# Allegro board BeagleBone_AI-64_Rev_B1_PCB_220602.brd (continued)
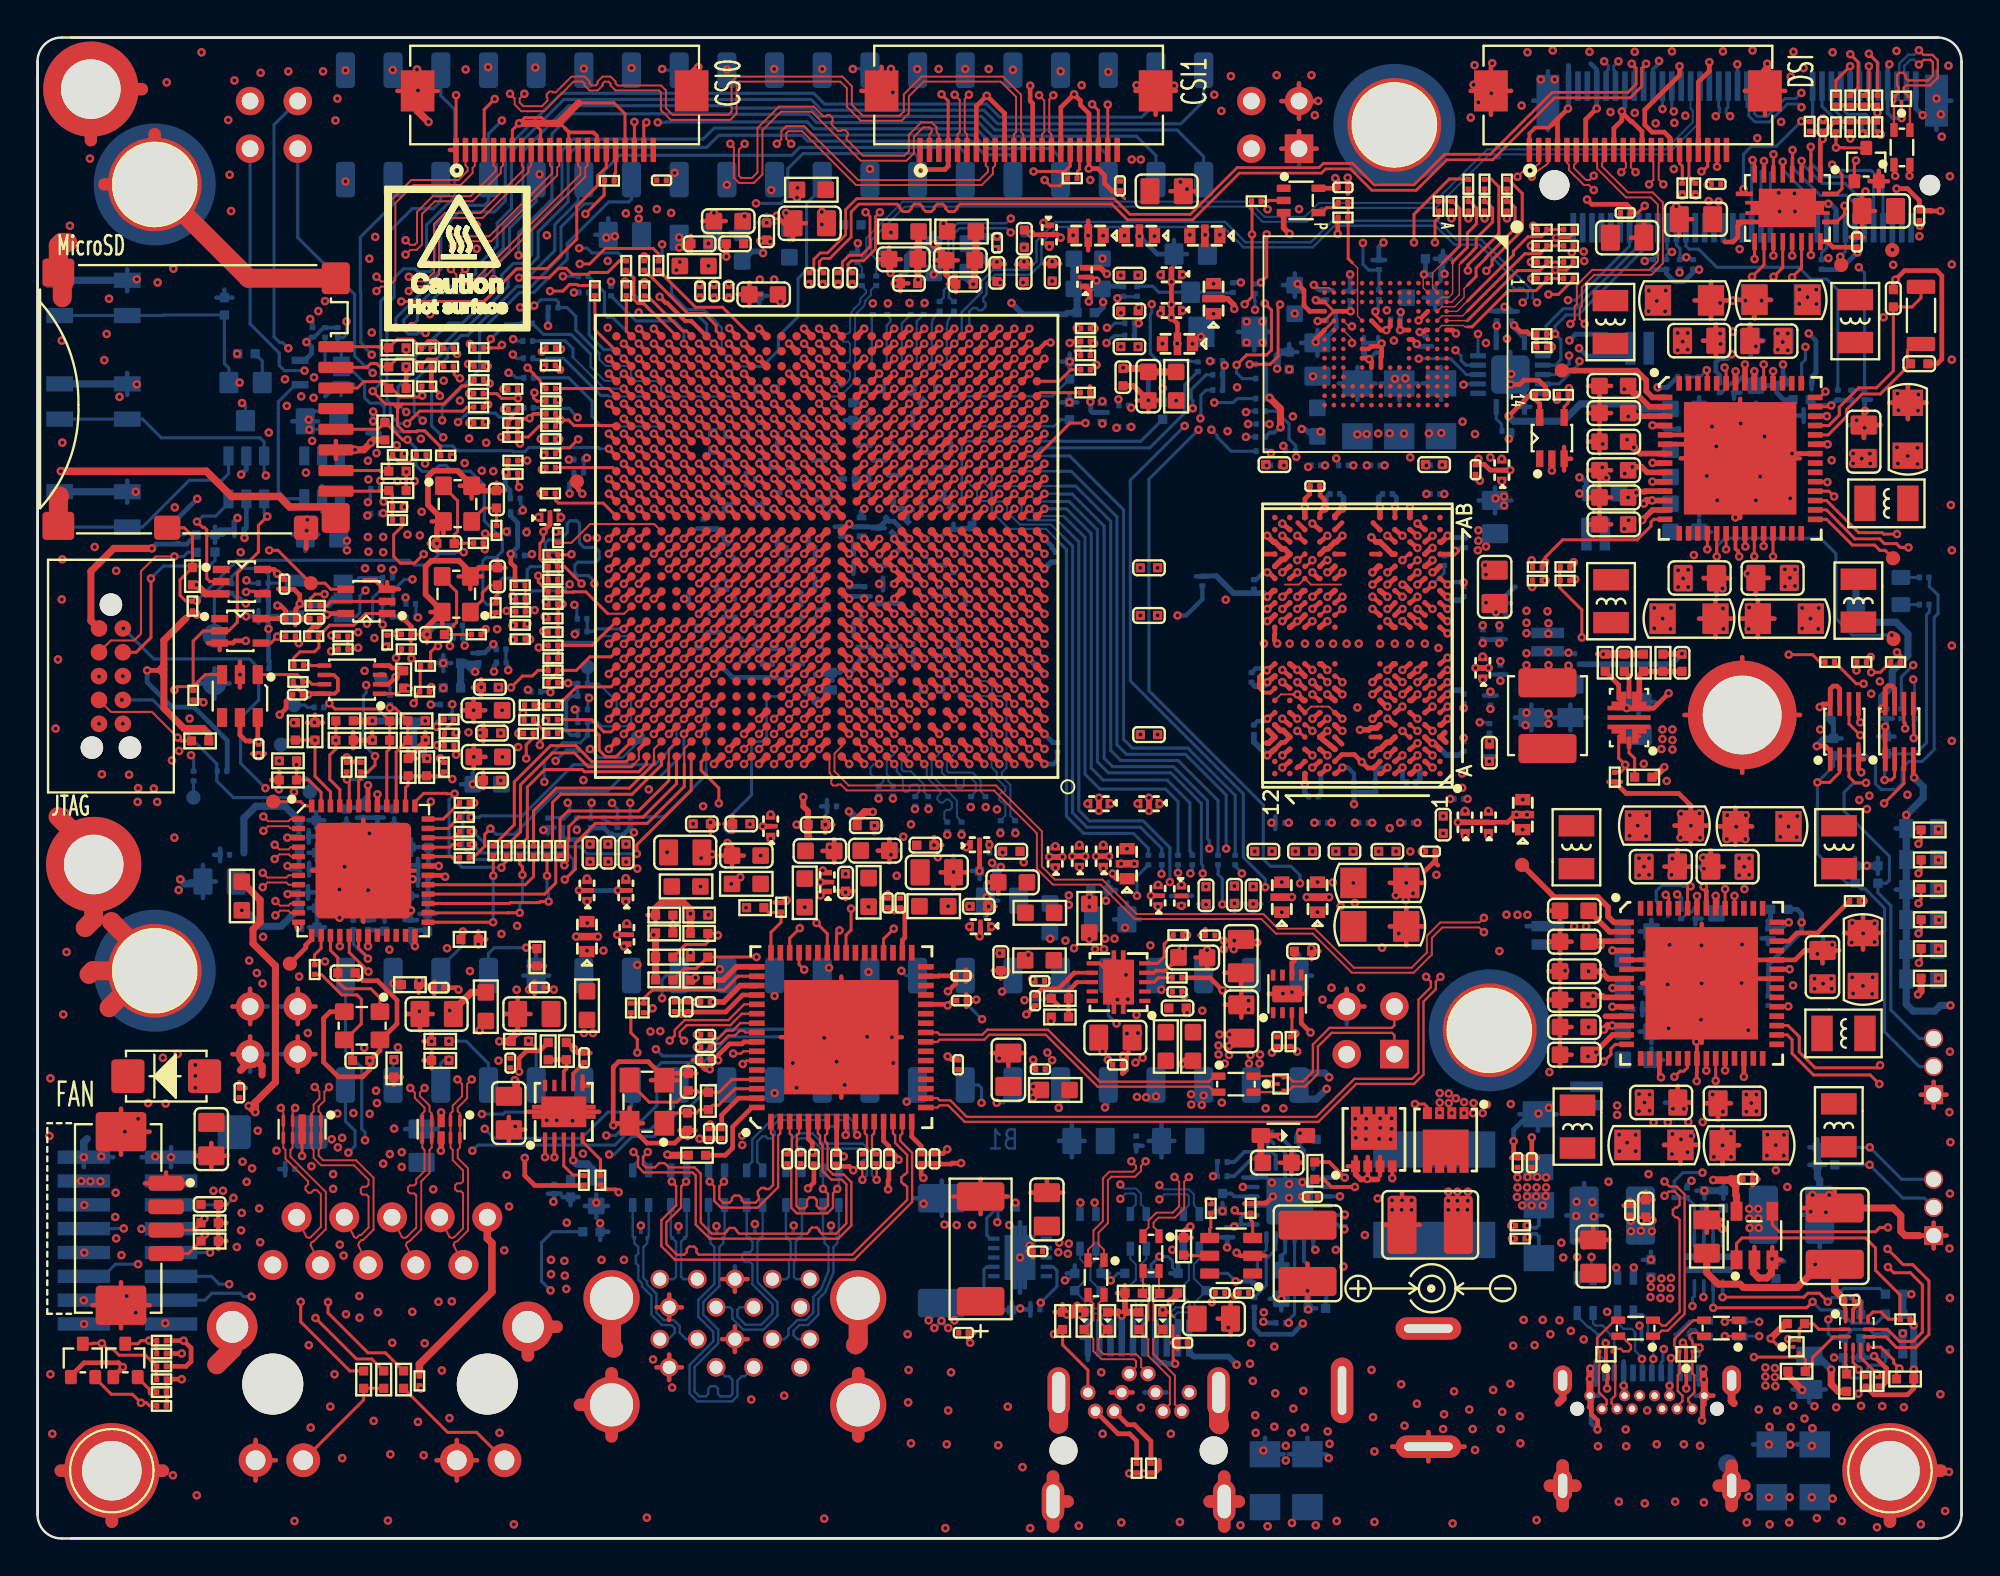
[diagram p0: board, top side]
## Routing (per net, layer and track width the routed paths; a pad name or vN(x,y) marks a point on that pad's centre or on a via; arc(x,y) is an arc through that point) (continued)
PMICA_AMUXOUT: length 6.4
  TOP w0.305: U30.1 86.03,60.82 85.7,61.16 85.7,61.74 85.19,62.25 81.87,62.25 81.86,62.26 TP10.1
PMICB_AMUXOUT: length 7.1
  TOP w0.305: U29.1 83.98,32.84 83.67,33.15 83.67,33.65 83.13,34.19 80.8,34.19 TP9.1
PR1: length 14.5
  L3-SIGNAL w0.102: v1(95.71,9.64) 95.27,9.64 92.83,12.08 89.66,12.08 89.46,11.88 88.67,11.88 v1(88.16,12.39)
  BOTTOM w0.165: v1(88.16,12.39) 88.16,12.81 88.27,12.92 U1.6 ; R350.2 98.44,9.45 98.23,9.24 97.65,9.24 97.48,9.07 97.48,8.78 97.25,8.55 96.64,8.55 96.21,8.98 R22.1 v1(95.71,9.64)
PWR_BUT: length 99.4
  L5-SIGNAL w0.102: v1(12.73,20.67) 13.02,20.96 14.34,20.96 15.29,20.01 17.7,20.01 18.29,19.42 23.39,19.42 23.85,19.88 25.14,19.88 25.6,19.42 32.41,19.42 32.94,19.96 35.2,19.96 37.13,21.89 55.78,21.89 v1(56.87,22.98)
  L10-SIGNAL w0.102: v1(12.16,56.66) 12.16,54.92 11.61,54.36 11.61,53.59 11.72,53.48 11.72,51.98 11.61,51.86 11.61,46.17 10.36,44.92 10.36,40.48 10.69,40.15 10.69,34.38 11.5,33.57 11.5,32.05 12.7,30.85 12.7,24.86 12.24,24.4 12.24,21.16 v1(12.73,20.67)
  BOTTOM w0.165: v1(56.87,22.98) 57.04,23.15 P9.9 ; v1(12.16,56.66) 12.16,56.76 12.07,56.85 U8.3 12.07,58.45 11.86,58.67 6.59,58.67 5.59,59.66 SW2.4 SW2.2
PWRCTL1/BATEN1: length 37.6
  TOP w0.165: v1(45.62,32.5) 45.07,31.96 U20.36
  L10-SIGNAL w0.102: v1(53.44,12.57) 50.2,15.81 50.2,17.98 51.74,19.52 51.74,25.36 53.07,26.7 53.07,27.64 53.44,28 53.44,31.61 53.13,31.92 53.11,31.92 51.97,33.06 48.08,33.06 47.04,34.1 45.21,34.1 45.01,33.9 45.01,33.11 v1(45.62,32.5)
  BOTTOM w0.165: U4.4 54.12,14.48 54.3,14.29 54.3,13.43 v1(53.44,12.57) 53.42,12.55 53.42,12.21 R84.1
R23_LED_USR1: length 169.8
  TOP w0.165: R369.1 100.34,35.59 v1(100.2,35.45)
  TOP w0.229: U19.R23 v1(35.25,52.49)
  L3-SIGNAL w0.102: v1(92.61,19.63) 96.62,19.63 96.87,19.37 97.81,19.37 98.19,19.75 98.19,23.59 99.36,24.76 99.36,34.61 v1(100.2,35.45) ; v1(18.31,51.71) 18.66,52.06 20.88,52.06 22.96,54.14 23.99,54.14 25.28,52.85 26.57,52.85 27.51,51.91 28.6,51.91 29.54,52.85 31.72,52.85 32.54,52.04 33.48,52.04 33.48,52.04 34.8,52.04 v1(35.25,52.49)
  L5-SIGNAL w0.102: v1(92.61,19.63) 92.17,19.63 87.04,14.49 85.84,14.49 85.11,13.76 79.8,13.76 78.23,12.18 70.34,12.18 68.79,10.63 64.96,10.63 63.12,12.48 63.12,13.08 62.51,13.68 57.94,13.68 57.42,13.16 54.49,13.16 53.97,13.68 51.6,13.68 50.05,15.23 27.13,15.23 23.38,11.48 18.71,11.48 v1(18.13,12.06)
  L8-PWR/GND w0.127: v1(18.13,12.06) 18.91,12.83 18.91,15.09 17.6,16.4 17.6,20.36 17.93,20.69 17.93,22.22 18.54,22.83 18.54,23.92 16.99,25.47 16.99,26.3 17.02,26.33 17.02,30.47 16.66,30.83 16.66,35.3 17.02,35.65 17.02,37.99 15.47,39.54 15.47,41.2 16.56,42.3 16.56,48.43 18.31,50.18 v1(18.31,51.71)
R_OSC1_XI: length 4.5
  TOP w0.165: R219.2 22.68,53.05 22.66,53.03 C328.1 22.2,53.49 22.38,53.67 22.38,55.31 21.63,56.06 X3.1
R_OSC1_XO: length 2.6
  TOP w0.165: X3.3 23.13,54.26 23.79,54.92 C334.1 R227.2
R_WKUP_OSC0_XIN: length 3.3
  TOP w0.165: X2.1 23.06,49.39 23.7,50.03 23.7,50.41 24.1,50.82 C335.1 24.5,50.33 24.41,50.23 R226.2
R_WKUP_OSC0_XOUT: length 5.1
  TOP w0.165: R217.2 C325.1 22.32,48.83 22.32,50.46 21.56,51.23 X2.3
RES_LM5141: length 2.2
  BOTTOM w0.165: 64.8,14.15 64.78,14.13 C101.1 ; 64.8,14.15 64.99,14.34 64.99,14.92 65.46,15.39 U3.24 ; 64.8,14.15 64.78,14.15
RESET_REQZ: length 0.9
  BOTTOM w0.165: R104.2 30.87,37.89 30.68,38.09 30.53,38.09 30.41,38.21 30.36,38.21 30.17,38.4 R106.2
RESETSTATZ: length 194.1
  TOP w0.165: R288.1 31.61,26.95 31.95,26.61 v1(31.95,25.9) ; R316.1 64.65,71.28 64.65,70.91 64.7,70.86 v1(64.7,69.51) 64.7,66.18 v1(64.31,65.79)
  TOP w0.229: v1(49.64,53.28) 49.24,53.68 U19.T6
  L5-SIGNAL w0.102: v1(18.03,23.87) 19.25,23.87 19.91,23.21 20.52,23.21 21.11,23.79 29.77,23.79 31.59,25.61 31.66,25.61 v1(31.95,25.9) 32.54,25.32 35.48,25.32 37.27,27.11 51.9,27.11 52.55,26.46 56.08,26.46 57.07,27.45 v1(57.48,27.45) ; v1(64.7,69.51) 62.56,71.65 62.56,76.42 62.69,76.55 v1(62.69,76.95) ; v1(64.31,65.79) 63.88,66.21 62.67,66.21 61.07,64.61 59.76,64.61 59.18,65.19 58.37,65.19 58.14,64.96 57.87,64.96 57.86,64.96 57.56,64.96 57.55,64.96 55.14,64.96 54.62,64.44 54.62,63.27 53.82,62.48 51.12,62.48 50.88,62.24 50.88,62.01 50.59,61.73 50.37,61.73 50.08,61.44 50.08,54.74 50.1,54.72 50.1,54.11 49.64,53.65 v1(49.64,53.28)
  L10-SIGNAL w0.102: v1(18.03,23.87) 18.06,23.87 18.06,23.89 18.02,23.89 16.2,25.71 16.2,30.88 15.7,31.39 15.7,41.75 16.26,42.31 16.26,42.7 16.25,42.71 16.25,50.56 15.36,51.45 15.36,53.8 15.72,54.16 15.72,64.13 v1(16.46,64.86) 16.46,71.56 16.97,72.08 16.97,77.14 18.74,78.91 37.81,78.91 39.55,77.17 40.48,76.24 55.19,76.24 55.83,76.88 62.22,76.88 62.29,76.95 v1(62.69,76.95)
  BOTTOM w0.165: R152.2 15.99,64.01 ; 15.99,64.01 15.99,63.39 16.19,63.19 U6.1 ; 15.99,64.01 16.29,64.01 16.46,64.17 v1(16.46,64.86) ; v1(57.48,27.45) 57.04,27.88 P9.10
RT_LM5141: length 1.7
  BOTTOM w0.203: R59.1 63.59,18.38 63.74,18.24 U3.4
RX_CLK: length 1.7
  TOP w0.165: R216.2 22.11,36.28 22.04,36.35 U15.32
RX_CTRL: length 3.7
  TOP w0.165: U15.38 19.6,40.01 19.74,40.15 R195.1 R204.2 21.47,40.65 21.65,40.83 R205.2
RX_D0: length 1.7
  TOP w0.165: R215.2 22.11,36.99 21.96,36.85 U15.33
RX_D1: length 1.8
  TOP w0.165: R214.2 22.46,37.67 22.46,37.65 22.18,37.38 22.16,37.38 22.13,37.35 U15.34
RX_D2: length 1.9
  TOP w0.165: R213.2 22.48,38.44 21.88,37.85 U15.35
RX_D3: length 2
  TOP w0.165: R212.2 22.46,39.21 22.46,39.19 21.62,38.35 U15.36
RXD: length 2
  TOP w0.165: U31.6 99.43,43.49 99.49,43.43 v1(99.49,43.17)
  BOTTOM w0.165: 99.29,43.68 99.31,43.68 ; 99.31,43.68 99.29,43.7 R373.2 ; 99.31,43.68 99.51,43.48 99.51,43.25 99.49,43.22 v1(99.49,43.17)
SD_CLK: length 23.7
  TOP w0.165: v1(19.71,58.56) 19.45,58.56 18.53,59.48 D23.2 18.15,59.12 J12.5
  BOTTOM w0.165: v1(19.71,58.56) 20.15,58.12 20.15,57.21 20.48,56.88 21.09,56.88 21.4,57.19 21.76,57.19 22.06,56.89 23.06,56.89 23.8,56.15 23.8,54.25 24.76,53.28 24.76,52.62 24.43,52.29 23.9,52.29 23.72,52.11 23.72,50 23.95,49.78 24.43,49.78 24.59,49.93 24.59,50.99 24.78,51.19 25.43,51.19 25.59,51.02 25.92,51.02 26.09,51.19 26.09,51.63 26.25,51.79 26.96,51.79 27.2,51.56 27.2,50.93 R122.2
SD_DAT0: length 5.5
  TOP w0.165: 18.89,57.75 18.71,57.57 D28.2 18.25,56.88 18.21,56.92 J12.7 ; 18.89,57.75 R188.2 ; 18.89,57.75 18.89,57.7 19.25,57.34 19.79,57.34 20.19,57.74 R198.2
SD_DAT1: length 4.5
  TOP w0.165: R189.2 18.9,54.98 ; 18.89,54.98 18.89,55.67 D29.2 18.25,55.85 18.22,55.82 J12.8 ; 18.89,54.98 18.89,54.29 R190.2
SD_DAT2: length 6.5
  TOP w0.165: R207.2 21.63,63.43 21.22,63.85 20.8,63.85 20.42,63.47 ; 20.42,63.47 19.96,63.92 19.17,63.92 D25.2 18.25,63.46 18.19,63.52 J12.1 ; 20.42,63.47 20.44,63.44 R201.2
SD_DAT3: length 6.6
  TOP w0.165: 20.42,62.48 20.44,62.46 R202.2 ; 20.42,62.48 20.42,62.5 20.78,62.86 21.24,62.86 21.63,62.47 R208.2 ; 20.42,62.48 20,62.91 19.17,62.91 D26.2 18.25,62.45 18.07,62.63 17.75,62.63 17.55,62.42 J12.2
SERDES0_REXT: length 0.6
  TOP w0.229: v1(39.23,61.28) 39.63,60.88 U19.AE18
SERDES1_REXT: length 0.6
  TOP w0.229: v1(44.04,61.29) 43.64,60.89 U19.AE13
SERDES2_REXT: length 1.2
  TOP w0.229: v1(44.04,60.49) 43.64,60.09 U19.AD13
  BOTTOM w0.254: R97.1 43.99,60.53 v1(44.04,60.49)
SERDES3_REXT: length 0.6
  TOP w0.229: U19.AE8 48.04,61.28 v1(48.04,61.29)
SERDES4_REXT: length 0.6
  TOP w0.229: v1(47.24,45.28) 46.84,45.68 U19.F9
SOC_EMU0: length 34.7
  TOP w0.229: U19.C26 33.23,43.28 v1(32.83,42.88)
  L5-SIGNAL w0.102: v1(13.66,39.79) 13.95,39.51 14.64,39.51 16.07,40.94 20.75,40.94 21.63,40.06 22.44,40.06 22.71,39.79 25.77,39.79 26.69,40.71 28.79,40.71 v1(29.08,40.42)
  L12-SIGNAL w0.102: v1(32.83,42.88) 31.55,41.6 29.79,41.6 29.08,40.89 v1(29.08,40.42)
  BOTTOM w0.165: 9.55,40.89 9.55,41.29 6.14,44.7 v1(4.49,44.7) ; 9.55,40.89 9.56,40.9 R228.2 ; 9.55,40.89 9.55,40.38 10.43,39.49 13.36,39.49 v1(13.66,39.79)
SOC_EMU1: length 36.1
  TOP w0.229: v1(30.43,42.08) 30.83,42.48 U19.B29
  L5-SIGNAL w0.102: v1(30.43,42.08) 29.43,41.08 26.73,41.08 26.36,40.71 25.73,40.71 25.04,40.02 24.53,40.02 23.82,40.73 22.38,40.73 21.94,41.16 15.97,41.16 15.11,40.3 12.44,40.3 v1(12.14,40)
  BOTTOM w0.165: R229.2 11.8,46.37 11.78,46.39 ; v1(4.57,48.51) 6.2,46.88 11.29,46.88 11.78,46.39 ; 11.78,46.39 11.78,44.7 10.82,43.73 10.82,41.32 v1(12.14,40)
SOC_INT1Z: length 32.5
  TOP w0.229: U19.AC18 39.63,59.28 v1(39.23,59.68)
  L12-SIGNAL w0.102: v1(39.23,59.68) 39.63,60.08 43,60.08 43.81,60.89 44.2,60.89 44.44,61.14 44.44,61.45 44.67,61.68 45.8,61.68 46.04,61.44 46.04,61.12 46.29,60.88 46.6,60.88 46.84,60.64 46.84,60.32 47.09,60.08 48.2,60.08 48.43,59.85 48.43,59.53 48.68,59.29 50.6,59.29 50.85,59.53 50.85,59.85 51.08,60.08 53.83,60.08 55.46,58.44 62.6,58.44 62.95,58.79 62.95,59.85 63.17,60.06 63.17,62.04 v1(62.46,62.75)
SOC_INT2Z: length 3.7
  TOP w0.165: R272.2 27.74,44.41 27.74,44.43 28.01,44.7 28.03,44.7 28.72,45.39 30.55,45.39 U19.F29
  TOP w0.229: 30.83,45.68 U19.F29 30.83,45.68
SOC_PORZ_OUT: length 25
  TOP w0.229: U19.U1 53.24,54.48 v1(53.64,54.88)
  BOTTOM w0.165: R68.1 61.52,36.52 61.39,36.64 61.39,39.21 60.17,40.43 56.77,40.43 56.13,41.06 56.13,53.56 54.81,54.88 v1(53.64,54.88)
SOC_RESET_REQZ: length 5.4
  TOP w0.229: v1(31.23,42.88) 31.63,43.28 U19.C28
  L3-SIGNAL w0.102: v1(31.23,42.88) 31.23,40.37 30.6,39.74 v1(30.6,39.2)
  BOTTOM w0.165: v1(30.6,39.2) 30.6,39.18 30.89,38.9 R104.1
SOC_SAFETY_ERRZ: length 49.6
  TOP w0.165: v1(92.46,62.22) 92.45,62.21 U30.46
  TOP w0.229: v1(51.24,54.88) 51.24,54.88 U19.U4
  L10-SIGNAL w0.102: v1(51.24,54.88) 51.48,54.88 51.89,55.29 52.2,55.29 52.43,55.52 52.43,55.84 52.68,56.08 54.15,56.08 55.45,57.37 55.45,60.47 56.16,61.18 59.31,61.18 59.64,60.85 60.15,60.85 60.45,61.15 62.2,61.15 62.41,60.95 64.2,60.95 64.6,61.36 65.96,61.36 66.7,60.62 80.34,60.62 80.67,60.29 81.56,60.29 82.57,59.27 85.16,59.27 85.7,59.81 90.05,59.81 v1(92.46,62.22)
SOC_SERDES1_REFCLK_N: length 8.4
  TOP w0.119: U19.AE14 42.84,60.89 v1(42.44,61.29)
  BOTTOM w0.106: v1(42.44,61.29) 42.44,61.53 arc(42.47,61.6) 42.54,61.63 42.61,61.63 arc(42.69,61.6) 42.72,61.53 arc(42.74,61.45) 42.79,61.4 42.82,61.4 arc(42.89,61.41) 42.95,61.45 43.23,61.73 arc(43.27,61.79) 43.28,61.87 43.28,62.14 43.18,62.25 43.08,62.25 42.97,62.36 42.97,62.57 43.08,62.67 43.18,62.67 43.28,62.78 43.28,63.68 43.18,63.79 42.95,63.79 42.85,63.9 42.85,64.11 42.95,64.22 43.18,64.22 43.28,64.32 43.28,65 arc(43.34,65.3) 43.51,65.56 43.77,65.81 arc(43.82,65.88) 43.83,65.97 43.83,66.09 44.13,66.38 44.13,66.54 43.92,66.75 R95.1
SOC_SERDES1_REFCLK_P: length 8.5
  TOP w0.119: v1(41.64,60.49) 42.04,60.09 U19.AD15
  BOTTOM w0.106: v1(41.64,60.49) 41.83,60.68 arc(42.04,60.82) 42.29,60.87 42.45,60.87 arc(42.72,60.92) 42.95,61.07 43.48,61.61 arc(43.53,61.68) 43.55,61.77 43.55,65 arc(43.59,65.2) 43.7,65.37 43.95,65.62 arc(44.06,65.78) 44.1,65.97 44.1,65.98 44.4,66.27 44.4,66.54 44.62,66.76 44.68,66.76 R93.1
SOC_TCK: length 30.8
  TOP w0.114: v1(7.47,42.69) 6.1,44.05 3.92,44.05 J11.4
  TOP w0.165: v1(7.47,42.69) 7.64,42.51 R165.2
  TOP w0.229: U19.E29 30.83,44.88 v1(30.43,44.48)
  L3-SIGNAL w0.102: v1(25.6,42.18) 25.78,42.18 26.58,42.98 28.51,42.98 30.01,44.48 v1(30.43,44.48)
  L5-SIGNAL w0.102: v1(25.6,42.18) 22.55,42.18 21.97,42.76 21.13,42.76 20.92,42.98 7.75,42.98 v1(7.47,42.69)
SOC_TDI: length 138
  TOP w0.229: v1(53.64,55.68) 53.64,55.68 U19.V1
  L10-SIGNAL w0.102: v1(62.56,12.59) 62.56,17.52 63.14,18.1 63.14,21.35 63.9,22.11 63.9,29.84 62.76,30.98 62.76,33.63 62.75,33.65 62.75,33.95 62.76,33.96 62.76,36.43 v1(62.42,36.77) ; v1(10.92,20.08) 10.64,20.36 10.64,20.44 9.92,21.16 9.92,21.39 9.68,21.63 9.68,29 9.85,29.18 9.85,31.94 8.43,33.37 8.43,39.06 6.55,40.94 6.55,43.96 v1(4.54,45.97)
  L12-SIGNAL w0.102: v1(10.92,20.08) 11.2,20.36 12.24,20.36 13.46,19.14 14.78,19.14 15.44,19.8 17.88,19.8 18.46,19.22 20.22,19.22 20.75,19.75 23.49,19.75 24.1,20.36 25.3,20.36 25.91,19.75 31.62,19.75 32.99,18.38 39.83,18.38 40.31,17.9 42.77,17.9 43.3,17.36 44.19,17.36 47.11,14.44 49.57,14.44 51.52,12.49 51.52,12.06 51.74,11.84 53.63,11.84 54.41,12.62 58.24,12.62 59.1,11.75 61.72,11.75 v1(62.56,12.59)
  BOTTOM w0.114: 54.46,55.67 54.44,55.68 v1(53.64,55.68)
  BOTTOM w0.165: v1(62.42,36.77) 62.42,37.2 62.33,37.29 62.33,39.32 60.51,41.14 57.27,41.14 56.82,41.6 56.82,53.97 55.12,55.67 54.46,55.67
SOC_TDO: length 128.1
  TOP w0.229: U19.V3 52.04,55.68 v1(52.04,55.68)
  L5-SIGNAL w0.102: v1(11.14,19.01) 11.91,18.24 21.23,18.24 21.6,18.61 22.59,18.61 23.01,18.19 24.39,18.19 24.53,18.33 30.35,18.33 31.01,17.67 46.12,17.67 47.14,18.69 53.34,18.69 56.22,15.8 60.03,15.8 v1(60.45,15.39)
  L10-SIGNAL w0.102: v1(11.14,19.01) 9.69,20.46 9.69,21.06 9.68,21.07 9.68,21.3 9.45,21.53 9.45,29.13 9.62,29.3 9.62,31.84 8.13,33.34 8.13,39.04 6.32,40.85 6.32,42.71 5.66,43.37 4.6,43.37 v1(4.54,43.43) ; v1(60.45,15.39) 60.45,18.73 60.16,19.01 60.16,24.5 60.53,24.86 60.53,26.97 59.28,28.21 59.28,30.55 60.32,31.59 v1(60.32,34.99)
  BOTTOM w0.114: 54.63,53.97 54.33,54.27 52.78,54.27 52.43,54.62 52.43,55.05 52.42,55.05 52.42,55.3 v1(52.04,55.68)
  BOTTOM w0.165: 54.63,53.97 55.47,53.13 55.47,38.81 56.04,38.24 58.9,38.24 60.32,36.82 v1(60.32,34.99)
SOC_TMS: length 157.6
  TOP w0.114: v1(7.29,52.34) 6.3,52.34 5.51,51.55 5.51,48.23 5.15,47.86 3.9,47.86 J11.2
  TOP w0.229: U19.V2 52.44,55.28 v1(52.84,55.68)
  L10-SIGNAL w0.102: v1(62.08,35.45) 61.85,35.22 61.85,30.63 62.48,30 62.48,27.8 61.95,27.27 61.95,24.86 62.61,24.2 62.61,20.62 61.95,19.96 61.95,12.15 63.68,10.42 v1(64.65,10.42) ; v1(11.43,19.73) 11.43,20.21 9.9,21.73 9.9,28.9 10.08,29.07 10.08,32.05 8.66,33.47 8.66,39.16 6.78,41.04 6.78,51.83 v1(7.29,52.34)
  L12-SIGNAL w0.102: v1(11.43,19.73) 12.49,19.73 14.03,18.19 25.29,18.19 25.43,18.33 28.12,18.33 28.98,17.47 38.54,17.47 39.7,16.31 43.95,16.31 46.76,13.5 49.18,13.5 50.59,12.09 50.59,11.68 52.12,10.15 56.04,10.15 56.7,10.81 62.96,10.81 63.36,10.42 v1(64.65,10.42)
  BOTTOM w0.114: 54,55.27 53.23,55.27 52.84,55.66 v1(52.84,55.68)
  BOTTOM w0.165: v1(62.08,35.45) 62.08,35.88 62,35.95 62,39.18 60.37,40.81 57.05,40.81 56.46,41.39 56.46,53.76 54.95,55.27 54,55.27 ; R160.2 8,52.56 7.77,52.34 v1(7.29,52.34)
SOC_TRST#: length 44.4
  TOP w0.165: J11.9 5.26,47.24 6.04,48.02 v1(6.04,51.17)
  TOP w0.229: U19.F24 34.44,45.28 v1(34.43,45.28)
  L3-SIGNAL w0.102: v1(34.43,45.28) 34.07,45.64 33.54,45.64 33.19,45.99 33.19,46.23 32.95,46.47 28.16,46.47 27.96,46.27 25.8,46.27 25.36,45.83 21.77,45.83 20.15,47.44 19.02,47.44 17.83,46.24 v1(17.42,46.24)
  L5-SIGNAL w0.102: v1(6.04,51.17) 6.04,47.62 6.88,46.78 13.43,46.78 13.9,46.31 16.95,46.31 17.02,46.24 v1(17.42,46.24)
  BOTTOM w0.165: v1(6.04,51.17) 6.7,51.83 9.16,51.83 9.45,52.13 R159.1
SOC_WAKE: length 25.7
  TOP w0.165: U11.4 12.43,47.73 v1(12.77,48.07) 12.79,48.09 R169.2
  TOP w0.229: v1(33.63,46.08) 33.64,46.08 U19.G25
  L5-SIGNAL w0.102: v1(17.94,48) 17.54,48 17.49,47.95 17.35,47.95 17.24,47.84 15.89,47.84 15.81,47.77 15.14,47.77 14.4,47.03 13.82,47.03 v1(12.77,48.07)
  L12-SIGNAL w0.102: v1(33.63,46.08) 33.24,46.47 33.24,46.98 32.98,47.24 28.86,47.24 28.4,46.78 26.26,46.78 25.97,47.07 22.57,47.07 22.34,47.3 22.34,47.81 22.15,48 21.09,48 20.9,47.81 18.93,47.81 18.79,47.95 18.39,47.95 18.34,48 v1(17.94,48)
SS: length 2
  BOTTOM w0.165: U1.11 89.27,17.07 C19.1
SS_1V1: length 3.6
  TOP w0.165: C544.1 53.15,28.93 53.17,28.95
  TOP w0.203: 55.23,30.15 U18.7
  TOP w0.254: 55.23,30.15 54.38,29.3 53.52,29.3 53.17,28.95 53.15,28.95
SS_2V5: length 1.5
  TOP w0.165: C539.1 29.12,25.36 29.1,25.34
  TOP w0.203: 29.1,25.34 28.53,24.78 U9.7
SS_LM5141: length 1.8
  BOTTOM w0.203: U3.22 66.46,15.25 66.26,15.05
  BOTTOM w0.305: C96.1 66.26,15.05
SW_LM5141: length 0
  TOP w0.203: Q3.3 v1(74.69,22.7)
  vias: v1(70.18,21.86) v1(70.2,22.37) v1(70.23,21.35) v1(70.77,21.87) v1(70.76,21.28) v1(70.79,22.37) v1(71.47,21.3) v1(71.52,22.39) v1(71.52,21.89) v1(72.08,21.28) v1(72.13,22.39) v1(72.13,21.84) v1(74.7,23.74) v1(74.7,23.23) v1(75.18,23.71) v1(75.18,23.21) v1(75.34,22.67) v1(75.56,23.46) v1(75.99,23.26) v1(75.99,22.67) v1(76.48,22.67) v1(76.5,23.21) v1(76.99,22.67) v1(77.21,23.13)
SW_RESET: length 11.1
  BOTTOM w0.165: U8.1 10.17,56.75 9.83,56.4 8.09,56.4 5.59,53.91 SW3.4 SW3.2
SYS_MCU_EN: length 161.6
  TOP w0.165: U16.4 15.63,50.6 15.31,50.92 TP7.1 12.8,52.67 v1(12.34,52.67) ; v1(97.28,45.56) 96.89,45.56 95.76,46.7 95.76,46.71 R1.1
  L5-SIGNAL w0.102: v1(97.28,45.56) 97.28,43.98 97.74,43.53 97.74,42.23 99.01,40.96 99.01,38.93 98.7,38.62 98.7,28.8 94.05,24.15 94.05,17.24 92.23,15.41 91.69,15.41 89.11,12.83 89.11,12.72 88.28,11.88 85.09,11.88 84.55,12.41 83.94,12.41 v1(83.61,12.08)
  L10-SIGNAL w0.102: v1(12.34,52.67) 11.99,52.32 11.99,48.68 11.83,48.53 11.83,46.06 10.69,44.92 10.69,40.56 10.94,40.31 10.94,34.49 11.76,33.67 11.76,32.88 12.93,31.72 12.93,24.53 12.47,24.07 12.47,22.62 14.59,20.5 v1(14.59,19.84)
  L12-SIGNAL w0.102: v1(83.61,12.08) 83.21,12.49 78.05,12.49 75.99,14.55 70.2,14.55 69.77,14.11 58.65,14.11 58.21,14.55 57.67,14.55 57.59,14.47 55.6,14.47 55.42,14.29 51.02,14.29 49.8,15.51 47.37,15.51 44.41,18.47 44,18.47 42.9,19.57 37.34,19.57 35.97,20.94 34.6,20.94 33.07,22.47 29.77,22.47 28.4,21.1 18.77,21.1 17.73,20.06 15.2,20.06 14.98,19.84 v1(14.59,19.84)
SYS_MCU_PWRDN: length 16.8
  TOP w0.165: v1(19.76,45.3) 19.74,45.33 R192.1 19.21,45.03 U14.1
  TOP w0.229: U19.E25 34.03,44.88 v1(33.63,44.48)
  L12-SIGNAL w0.102: v1(19.76,45.3) 20.19,44.87 23.19,44.87 23.34,44.72 26.87,44.72 26.9,44.7 28.46,44.7 28.93,45.16 29.94,45.16 30.25,44.85 33.27,44.85 v1(33.63,44.48)
T23_LED_USR0: length 171.4
  TOP w0.165: R368.1 100.34,37.16 v1(100.2,37.02)
  TOP w0.229: U19.T23 v1(35.24,53.28)
  L5-SIGNAL w0.102: v1(80.19,11.65) 80.95,12.41 82.7,12.41 84.15,10.96 85.93,10.96 86.34,11.38 88.1,11.38 88.64,11.92 89.76,11.92 91.76,13.91 94.77,13.91 96.09,15.23 96.09,25.86 98.93,28.71 98.93,35.75 v1(100.2,37.02)
  L8-PWR/GND w0.127: v1(18.41,53.38) 18.02,52.99 17.43,52.99 15.77,51.33 15.77,50 15.57,49.8 15.29,49.8 14.93,49.45 14.93,46.06 13.79,44.92 13.79,44.21 14.11,43.9 14.11,41.94 14.32,41.72 14.32,30.7 15.11,29.91 15.11,25.54 16.05,24.6 16.05,23.92 14.63,22.5 14.63,21.25 15.74,20.14 v1(15.74,19.42)
  L12-SIGNAL w0.102: v1(35.24,53.28) 35.24,53.66 34.71,54.19 28.17,54.19 28.02,54.04 26.16,54.04 26.14,54.07 19.1,54.07 v1(18.41,53.38) ; v1(80.19,11.65) 79.75,11.22 78,11.22 76.02,13.2 69.77,13.2 67.66,11.09 65.15,11.09 64.36,11.88 63.12,11.88 62.76,11.52 58.9,11.52 58.06,12.36 54.48,12.36 53.73,11.61 51.65,11.61 51.3,11.96 51.3,12.39 49.47,14.22 47.02,14.22 44.13,17.1 43.19,17.1 42.62,17.67 39.67,17.67 39.19,18.15 32.82,18.15 31.47,19.5 25.83,19.5 25.27,20.06 24.25,20.06 23.7,19.5 20.88,19.5 20.37,18.99 16.18,18.99 v1(15.74,19.42)
T_USB1_DN2_D_N: length 10.7
  BOTTOM w0.13: L8.2 37.78,16.12 D15.3 38.08,15.82 38.08,15.39 37.95,15.26 37.67,15.26 37.54,15.13 37.54,14.87 37.67,14.74 37.95,14.74 38.08,14.61 38.08,13.55 39.15,12.48 39.15,11.99 38.56,11.4 37.71,11.4 37.28,11.83 37.28,12.19 37.41,12.32 J8.11
T_USB1_DN2_D_P: length 10.8
  BOTTOM w0.13: J8.12 36.89,12.32 37.02,12.19 37.02,11.72 37.6,11.13 38.67,11.13 39.42,11.88 39.42,12.59 38.35,13.66 38.35,15.82 D15.2 38.63,16.09 L8.3
T_USB1_SSRX_DN2_N: length 4.9
  BOTTOM w0.13: L10.2 33.73,16.1 D17.3 34.02,15.81 34.02,13.95 33.89,13.82 J8.14
T_USB1_SSRX_DN2_P: length 4.9
  BOTTOM w0.13: J8.15 34.41,13.82 34.28,13.95 34.28,15.82 D17.2 34.58,16.12 L10.3
T_USB1_SSTX_DN2_N: length 4.9
  BOTTOM w0.13: L7.2 39.87,16.07 D14.3 40.13,15.82 40.13,14.94 40.03,14.85 40.03,13.97 39.89,13.82 J8.17
T_USB1_SSTX_DN2_P: length 4.9
  BOTTOM w0.13: J8.18 40.41,13.82 40.3,13.94 40.3,14.74 40.39,14.83 40.39,15.82 D14.2 40.72,16.14 L7.3
TPS2561_ILIM: length 3
  BOTTOM w0.165: U4.7 50.55,14.48 50.42,14.34 50.42,12.73 R86.1
TPS62813_COMP: length 1.8
  TOP w0.254: U28.7 84.23,45.49 R344.1
TPS62813_FB: length 3.6
  TOP w0.305: U28.5 85.33,46 R346.1 R348.2 C504.2
TPS62813_PG: length 2
  TOP w0.165: U28.9 84.78,41.88 85.08,41.58 R347.2
TPS62813_SS: length 1.2
  TOP w0.254: U28.6 84.78,45.96 C495.1
TX_CLK: length 6.9
  TOP w0.165: R248.2 26.42,35.28 25.99,34.85 U15.29
TX_CTRL: length 9.7
  TOP w0.165: U15.37 20.1,39.25 20.57,39.72 21.77,39.72 21.79,39.69 v1(22.22,39.69) ; v1(24.71,35.75) 24.71,35.83 24.99,36.11 R230.2
  BOTTOM w0.165: v1(24.71,35.75) 24.29,35.75 24.26,35.78 22.6,35.78 21.92,36.46 21.92,39.39 v1(22.22,39.69)
TX_D0: length 8.6
  TOP w0.165: R275.2 27.83,36.38 27.82,36.38 27.61,36.18 27.61,34.94 27.01,34.35 U15.28
TX_D1: length 9
  TOP w0.165: v1(27.23,33.95) 26.79,33.95 26.74,33.89 25.19,33.89 25.14,33.85 U15.27 ; R249.2 v1(27.14,35.32)
  BOTTOM w0.165: v1(27.14,35.32) 27.14,34.46 27.23,34.38 v1(27.23,33.95)
TX_D2: length 8.1
  TOP w0.165: v1(25.83,35.37) 25.83,35.81 25.69,35.95 R237.2 ; U15.26 25.07,33.35 25.08,33.35 v1(25.69,33.35)
  BOTTOM w0.165: v1(25.69,33.35) 25.69,33.78 25.83,33.92 v1(25.83,35.37)
TX_D3: length 7
  TOP w0.165: R225.2 v1(24.28,35.33) ; U15.25 v1(24.27,32.85)
  BOTTOM w0.165: v1(24.27,32.85) 24.27,33.21 24.28,33.22 v1(24.28,35.33)
TXD: length 2.9
  TOP w0.165: v1(99.95,42.66) 99.95,43.32 99.93,43.33 U31.5
  BOTTOM w0.165: v1(99.95,42.66) 99.95,42.79 100,42.84 R375.2
TYPEC_VBUS_5V: length 16.9
  TOP w0.381: v1(95.55,9.01) 95.55,8.22 95.93,7.84 R306.1
  L3-SIGNAL w0.381: v1(95.55,9.01) 96.1,9.01 97.42,10.33 99.97,10.33 100.61,10.96 100.61,12.23 v1(99.82,13.02)
  BOTTOM w0.254: v1(84.5,8.14) J5.A9 84.5,9.43 ; v1(86.94,8.14) 87,8.2 J5.A4 87,9.6 v1(87.02,9.62)
  BOTTOM w0.381: J5.B4 84.55,8.09 v1(84.5,8.14) ; v1(95.55,9.01) 94.84,9.72 C21.1 ; J5.B9 86.95,8.14 v1(86.94,8.14) ; v1(99.82,13.02) R355.1 R354.1
  vias: v1(92.05,9.11) v1(92.05,8.63) v1(92.05,8.14) v1(92.56,9.08) v1(92.56,8.6) v1(92.58,8.12)
U2_AF28: length 110.7
  L5-SIGNAL w0.102: v1(11.68,30.14) 12.14,30.14 12.85,29.43 14.63,29.43 16.38,27.68 31.21,27.68 32.33,28.79 v1(33.27,28.79) 33.67,29.2 37.26,29.2 38.17,28.29 46.15,28.29 47.95,30.09 51.13,30.09 52.02,29.2 52.02,28.72 52.42,28.31 60.73,28.31 60.91,28.49 61.69,28.49 v1(62.05,28.13)
  L8-PWR/GND w0.127: v1(11.68,30.14) 11.68,31.36 10.11,32.94 10.11,35.32 10.87,36.09 10.87,43.47 13.26,45.86 13.26,52.06 15.5,54.31 15.5,61.37 17.98,63.84 21.06,63.84 21.28,64.06 23.2,64.06 23.33,63.93 v1(24.15,63.93)
  L10-SIGNAL w0.102: v1(62.05,28.13) 61.62,28.57 61.62,34.72 61.15,35.2 61.03,35.2 v1(60.75,35.48)
  BOTTOM w0.165: v1(33.27,28.79) 33.27,29.8 33.48,30 P9.28 ; R131.2 25.49,64.76 25.47,64.74 24.94,64.74 24.45,64.24 24.45,64.23 v1(24.15,63.93) ; R69.2 v1(60.75,35.48)
U2_SPI7_CS0: length 25.2
  TOP w0.229: U19.U2 52.44,54.49 v1(52.84,54.88)
  BOTTOM w0.114: 54.66,54.5 53.23,54.5 v1(52.84,54.88)
  BOTTOM w0.165: R69.1 60.75,39.28 60.09,39.95 56.59,39.95 55.8,40.73 55.8,53.36 54.66,54.5
U3_AB26: length 137.7
  TOP w0.165: R254.2 v1(26.81,58.6)
  L5-SIGNAL w0.102: v1(65.43,22.93) 65.02,22.52 58.54,22.52 57.49,23.58 56.43,23.58 55.35,22.5 52.5,22.5 50.34,24.65 46.33,24.65 44.78,23.11 24.15,23.11 v1(23.67,22.62) ; v1(58.27,60.27) 59.49,59.04 60.44,59.04 60.7,59.3 v1(61.11,59.3)
  L8-PWR/GND w0.127: v1(23.67,22.62) 23.67,24.68 23.32,25.04 21.77,25.04 21.49,25.32 21.49,30.4 22.25,31.16 22.25,31.61 21.69,32.17 21.69,33.87 22.25,34.43 22.25,35.93 21.64,36.54 21.64,40.86 21.92,41.14 21.92,41.6 21.91,41.61 21.91,43.31 22.83,44.24 22.83,46.5 23.47,47.13 23.47,47.92 23.21,48.17 23.21,48.18 23.17,48.21 23.17,49.84 23.21,49.88 23.21,49.93 25.6,52.32 25.6,52.64 25.45,52.8 25.45,55.26 26.48,56.29 26.48,58.27 v1(26.81,58.6)
  L10-SIGNAL w0.102: v1(65.4,34.71) 65.4,27.25 66.16,26.48 66.16,23.66 v1(65.43,22.93)
  BOTTOM w0.165: v1(61.11,59.3) 58.21,56.4 58.21,45.71 64.23,39.69 64.23,36.31 65.4,35.14 v1(65.4,34.71) ; 58.14,60.39 v1(58.27,60.27) ; v1(23.67,22.62) 24.81,22.62 24.91,22.72 28.83,22.72 29.1,23 P9.31
U3_SPI7_CLK: length 10.2
  TOP w0.229: v1(52.04,54.88) 51.64,54.49 U19.U3
  L10-SIGNAL w0.102: v1(52.04,54.88) 52.28,54.88 52.68,55.28 53.79,55.28 56.26,57.75 56.26,59.66 56.54,59.94 57.19,59.94 57.58,60.33 v1(57.58,60.72)
  BOTTOM w0.165: R77.1 57.58,60.39 v1(57.58,60.72)
U23_MCASP10_ACLKX: length 76.9
  TOP w0.165: U32.20 95.85,70.17 96.26,70.58 v1(96.26,71.04)
  TOP w0.229: U19.U23 35.64,54.49 v1(35.24,54.89)
  L10-SIGNAL w0.102: v1(35.24,54.89) 35.61,55.25 35.61,55.82 35.89,56.1 36.24,56.1 36.42,56.28 36.42,57.37 36.69,57.65 36.93,57.65 37.28,58 37.28,58.24 37.49,58.45 37.83,58.45 38.08,58.7 38.08,59.03 38.29,59.25 38.63,59.25 38.87,59.49 38.87,59.83 39.08,60.05 39.35,60.05 39.67,60.37 39.67,60.64 40.69,61.65 40.95,61.65 41.27,61.97 41.27,62.23 41.48,62.45 41.75,62.45 42.07,62.77 42.07,63.03 42.36,63.32 42.58,63.32 42.8,63.54 42.8,63.76 44.07,65.03 44.07,65.91 44.42,66.26 47.8,66.26 49.25,67.71 49.25,69.33 51.2,71.29 59.64,71.29 61.06,69.87 63.19,69.87 64.18,68.88 69.54,68.88 69.77,68.65 76.48,68.65 77.65,69.82 77.65,71.04 77.93,71.31 79.58,71.31 80.25,70.64 87.45,70.64 87.77,70.32 95.55,70.32 v1(96.26,71.04)
U24_EHRPWM2_B: length 90.8
  TOP w0.229: v1(34.44,54.89) 34.84,54.49 U19.U24
  L3-SIGNAL w0.102: v1(18.41,52.57) 18.9,53.05 20.77,53.05 22.12,54.4 25.05,54.4 25.47,53.97 25.47,53.43 25.83,53.08 26.69,53.08 26.79,52.98 28.19,52.98 28.95,53.74 33.3,53.74 v1(34.44,54.89)
  L5-SIGNAL w0.102: v1(17.7,22.64) 17.7,23.16 17.6,23.25 17.6,24.05 18.08,24.53 21.36,24.53 21.87,24.02 29.49,24.02 31.75,26.28 32.15,26.28 32.89,25.54 35.35,25.54 37.16,27.35 48.59,27.35 48.92,27.68 v1(50.32,27.68)
  L8-PWR/GND w0.127: v1(18.41,52.57) 17.92,52.07 17.92,50.17 16.3,48.56 16.3,42.4 15.21,41.31 15.21,39.11 15.59,38.73 15.59,31.44 16.76,30.27 16.76,26.43 16.74,26.41 16.74,25.19 17.24,24.68 17.24,23.51 17.7,23.05 v1(17.7,22.64)
  BOTTOM w0.165: v1(50.32,27.68) 49.42,28.57 P9.16
U25_MCASP10_AXR3: length 89.8
  TOP w0.165: U32.16 v1(93.47,68.37)
  TOP w0.229: 33.64,54.88 v1(33.64,54.89) 34.04,54.49 U19.U25 33.64,54.88
  L5-SIGNAL w0.102: v1(87.2,75.45) 87.96,75.45 88.01,75.4 91.64,75.4 92.99,74.06 92.99,73.96 93.6,73.35 93.6,73.07 94.08,72.58 94.08,69.38 93.47,68.78 v1(93.47,68.37)
  L10-SIGNAL w0.102: v1(33.64,54.89) 33.28,55.25 31.96,55.25 31.65,55.56 31.65,58.21 31.88,58.45 32.14,58.45 32.47,58.78 32.47,59.03 32.68,59.25 32.94,59.25 33.27,59.58 33.27,59.83 33.56,60.12 33.78,60.12 34,60.34 34,60.56 34.36,60.92 34.58,60.92 34.87,61.21 34.87,64.26 36.07,65.45 37.13,65.45 37.59,65.9 37.59,67.05 38.24,67.71 39.54,67.71 40.43,68.6 42.42,68.6 42.85,69.03 42.85,70.69 44,71.85 44.78,71.85 47.29,74.36 60.34,74.36 62.93,71.77 67.17,71.77 68.06,70.88 69.97,70.88 70.23,70.63 74.06,70.63 74.95,71.52 75.43,71.52 77.87,73.96 77.87,74.47 78.56,75.15 85.24,75.15 85.89,75.8 86.46,75.8 86.8,75.45 v1(87.2,75.45)
U26_MCASP10_AFSX: length 101.1
  TOP w0.165: U32.18 v1(94.47,68.41)
  TOP w0.229: v1(32.84,54.89) 32.84,54.88 U19.U26
  L5-SIGNAL w0.102: v1(93.39,77.92) 93.39,75.59 93.81,75.17 93.99,75.17 94.89,74.27 94.89,68.83 v1(94.47,68.41)
  L10-SIGNAL w0.102: v1(93.39,77.92) 93.37,77.89 93.37,77.78 92.57,76.98 78.1,76.98 76.67,75.54 76.67,74.1 75.05,72.48 74.6,72.48 73.66,71.54 70.64,71.54 70.38,71.8 68.44,71.8 67.4,72.84 63.76,72.84 61.27,75.33 46.89,75.33 45.06,73.5 37.17,73.5 35.31,71.65 31.23,71.65 30.63,71.04 30.63,70.52 29.54,69.43 29.54,57.85 29.64,57.75 29.64,57.45 29.54,57.34 29.54,56.56 29.59,56.51 29.59,55.8 30.86,54.53 32.48,54.53 v1(32.84,54.89)
U27_EHRPWM2_A: length 83.2
  TOP w0.229: v1(32.04,54.89) 32.44,54.49 U19.U27
  L3-SIGNAL w0.102: v1(32.04,54.89) 31.4,54.25 28.29,54.25 28.09,54.04 26.55,54.04 26.2,54.4 25.7,54.4 25.22,54.88 21.84,54.88 21.25,54.28 18.27,54.28 17.74,53.75 17.45,53.75 17.21,53.51 17.21,52.38 16.51,51.68 16.51,48.76 16.68,48.59 16.79,48.59 v1(17.08,48.3)
  L5-SIGNAL w0.102: v1(17.4,26.15) 17.79,26.55 20.18,26.55 20.6,26.13 23.2,26.13 24.5,27.42 32.59,27.42 34.13,28.97 37.16,28.97 38.07,28.06 46.4,28.06 48.16,29.81 50.72,29.81 v1(51.38,29.15)
  L10-SIGNAL w0.102: v1(17.4,26.15) 17.4,26.6 17.22,26.78 17.22,40.28 17.37,40.43 17.37,44.14 17.04,44.47 17.04,46.55 17.5,47.01 17.5,47.88 v1(17.08,48.3)
  BOTTOM w0.165: P9.14 51.96,29.73 v1(51.38,29.15)
U28_EHRPWM1_A: length 14
  TOP w0.229: 31.64,54.49 31.64,54.49 U19.U28 31.64,54.49 ; 31.64,54.49 v1(31.24,54.89)
  L3-SIGNAL w0.102: v1(31.24,54.89) 30.88,54.89 30.68,55.08 26.37,55.08 26.24,55.21 21.49,55.21 21.24,55.46 19.23,55.46 v1(18.41,54.65)
